# KiCad board sample013-sdi-mipi-video-converter.kicad_pcb (continued)
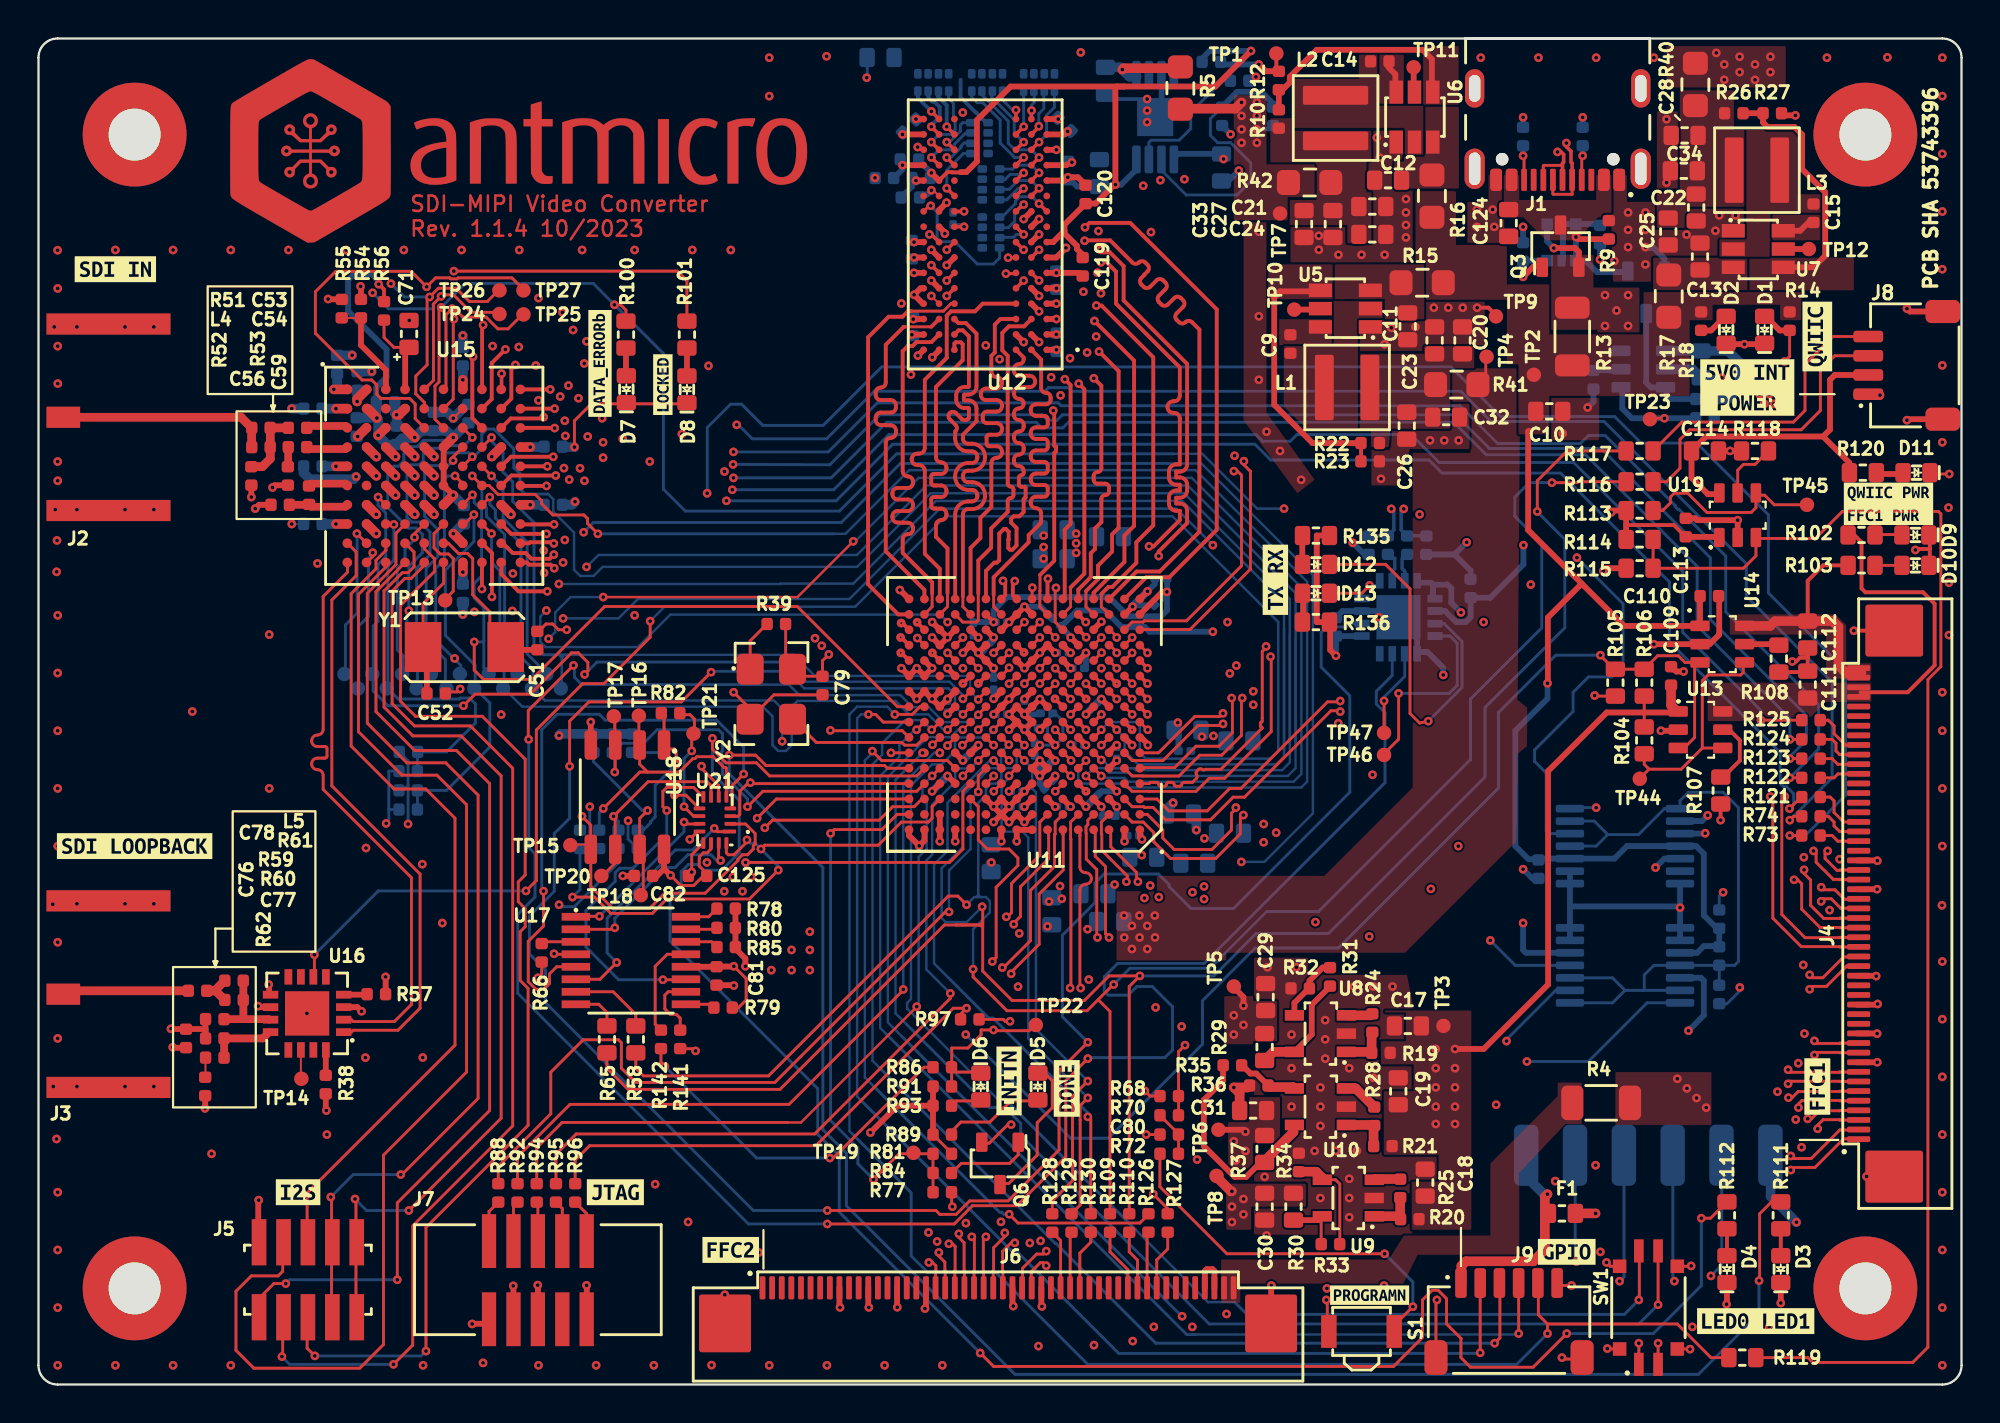
[diagram p0: board, top side]
## Routing (per net, layer and track width the routed paths; a pad name or vN(x,y) marks a point on that pad's centre or on a via; arc(x,y) is an arc through that point) (continued)
/DDR3/DDR3_DQ14: length 20.7
  Top w0.15: 46.47,41.15 46.47,40.45 U11.R15
  Top w0.2: U12.B8 46.43,54.21 45.66,54.21 45.45,54 45.2,54 44.94,53.74 44.94,47.49 arc(45.02,47.3) 45.21,47.23 arc(45.39,47.15) 45.47,46.96 45.47,46.89 arc(45.39,46.7) 45.21,46.62 44.67,46.62 arc(44.49,46.55) 44.41,46.36 44.41,46.29 arc(44.49,46.1) 44.67,46.03 45.21,46.03 arc(45.39,45.95) 45.47,45.76 45.47,45.69 arc(45.39,45.5) 45.21,45.43 44.67,45.43 arc(44.49,45.35) 44.41,45.16 44.41,45.09 arc(44.49,44.9) 44.67,44.83 44.94,44.83 44.94,44.82 45.21,44.82 arc(45.39,44.74) 45.47,44.55 45.47,44.48 arc(45.39,44.29) 45.21,44.22 arc(45.02,44.14) 44.94,43.95 44.94,43.25 46.47,41.72 46.47,41.15
/DDR3/DDR3_DQ15: length 21.2
  Top w0.2: U11.T11 49.27,42.31 49.7,42.74 49.83,42.74 49.96,42.87 49.96,44.25 50.2,44.49 50.31,44.49 50.45,44.35 50.45,43.95 50.43,43.93 50.43,43.5 50.52,43.41 50.64,43.41 50.86,43.63 50.86,44.54 50.58,44.82 50.58,45.02 50.71,45.15 51.01,45.15 51.23,45.37 51.23,46.04 arc(51.24,46.07) 51.28,46.09 arc(51.32,46.1) 51.33,46.14 51.33,46.64 arc(51.32,46.67) 51.28,46.69 51.11,46.69 arc(51.02,46.72) 50.98,46.81 50.98,47.16 arc(51.02,47.25) 51.11,47.29 arc(51.19,47.32) 51.23,47.41 51.23,47.51 arc(51.16,47.69) 50.98,47.76 arc(50.8,47.83) 50.73,48.01 50.73,48.11 arc(50.8,48.29) 50.98,48.36 arc(51.16,48.43) 51.23,48.61 51.23,48.71 arc(51.16,48.89) 50.98,48.96 arc(50.8,49.03) 50.73,49.21 50.73,49.31 arc(50.8,49.49) 50.98,49.56 arc(51.16,49.63) 51.23,49.81 51.23,49.91 arc(51.16,50.09) 50.98,50.16 arc(50.8,50.23) 50.73,50.41 50.73,50.51 arc(50.8,50.69) 50.98,50.76 arc(51.16,50.83) 51.23,51.01 arc(51.16,51.19) 50.98,51.26 arc(50.8,51.33) 50.73,51.51 50.73,51.61 arc(50.8,51.79) 50.98,51.86 51.53,51.86 arc(51.74,51.95) 51.83,52.16 arc(51.74,52.37) 51.53,52.46 50.98,52.46 arc(50.8,52.53) 50.73,52.71 50.73,52.81 arc(50.8,52.99) 50.98,53.06 arc(51.16,53.13) 51.23,53.31 51.23,53.41 U12.A3
/DDR3/DDR3_LDM: length 28.4
  Top w0.15: 52.08,42.1 52.08,41.27 52.07,41.26 52.07,40.45 U11.R7
  Top w0.182: v1(47.23,56.61) U12.E7
  Top w0.2: 52.08,42.1 52.82,42.84 52.82,48.44 arc(52.83,48.48) 52.87,48.49 arc(52.91,48.5) 52.92,48.54 52.92,48.74 arc(52.91,48.78) 52.87,48.79 arc(52.83,48.8) 52.82,48.84 52.82,50.6 v1(52.77,50.65)
  In2.Cu w0.162: v1(47.23,56.61) 46.93,56.31 46.93,53.07 46.47,52.61 46.09,52.61 45.34,51.86 45.34,49.45 46.02,48.77 50.89,48.77 v1(52.77,50.65)
/DDR3/DDR3_LDQS_N: length 32.2
  Top w0.162: v1(50.42,58.6) 50.82,58.6
  Top w0.2: v1(58.25,43.08) 58.25,43.32 59.73,44.8 59.73,45.44 arc(59.62,45.71) 59.35,45.82 59.16,45.82 59.16,46.12 59.35,46.12 arc(59.62,46.23) 59.73,46.5 59.73,46.8 arc(59.62,47.06) 59.35,47.17 59.16,47.17 59.16,47.47 59.35,47.47 arc(59.62,47.58) 59.73,47.85 59.73,53.07 56.43,56.38 56.43,58.16 55.71,58.88 55.37,58.88 v1(55.24,59) ; 54.09,39.25 v1(54.48,38.86)
  In2.Cu w0.15: 55.37,40.15 55.29,40.07 55.11,40.07 54.87,39.83 54.87,39.25 v1(54.48,38.86)
  In2.Cu w0.162: v1(50.42,58.6) 50.41,58.61 50.39,58.61 50.52,58.48 52.33,58.48 52.54,58.69 53.9,58.69 54.13,58.92 55.16,58.92 v1(55.24,59) ; 55.37,40.15 55.37,40.17 58.25,43.05 v1(58.25,43.08)
/DDR3/DDR3_LDQS_P: length 31.5
  Top w0.162: v1(50.31,57.77) 50.79,57.77
  Top w0.2: v1(57.75,43.59) 57.99,43.59 59.35,44.95 59.35,45.44 59.16,45.44 arc(58.89,45.55) 58.78,45.82 58.78,46.12 arc(58.89,46.38) 59.16,46.5 59.35,46.5 59.35,46.8 59.16,46.8 arc(58.89,46.91) 58.78,47.17 58.78,47.47 arc(58.89,47.74) 59.16,47.85 59.35,47.85 59.35,50.23 arc(59.26,50.44) 59.05,50.53 59.01,50.53 arc(58.8,50.62) 58.71,50.83 arc(58.8,51.04) 59.01,51.13 59.05,51.13 arc(59.26,51.22) 59.35,51.43 59.35,52.89 56.03,56.21 56.03,57.87 55.42,58.48 55.37,58.48 v1(55.24,58.36) ; 54.07,40.04 v1(54.46,39.65)
  In2.Cu w0.15: 54.97,40.45 54.46,39.94 v1(54.46,39.65)
  In2.Cu w0.162: v1(50.31,57.77) 50.33,57.79 50.33,57.81 50.52,58 52.24,58 52.45,58.21 54.1,58.21 54.33,58.44 55.16,58.44 v1(55.24,58.36) ; v1(57.75,43.59) 57.75,43.21 54.99,40.45 54.97,40.45
/DDR3/DDR3_ODT: length 52.9
  Top w0.182: v1(52.03,61.41) 52.43,61.01
  Top w0.2: U11.T7 52.47,41.88 v1(52.5,41.91)
  In2.Cu w0.162: v1(52.03,61.41) 52.04,61.4 53.47,61.4 53.59,61.52 56.84,61.52 58.46,59.9 58.46,53.09 58.2,52.83 arc(58.14,52.68) 58.2,52.54 58.65,52.09 arc(58.7,51.95) 58.65,51.81 arc(58.5,51.75) 58.36,51.81 57.6,52.57 arc(57.46,52.63) 57.32,52.57 arc(57.26,52.43) 57.32,52.29 58.08,51.53 arc(58.14,51.39) 58.08,51.24 arc(57.94,51.19) 57.8,51.24 57.07,51.97 arc(56.93,52.03) 56.8,51.97 56.79,51.96 arc(56.73,51.83) 56.79,51.69 57.51,50.96 arc(57.57,50.82) 57.51,50.68 arc(57.37,50.62) 57.23,50.68 56.5,51.41 arc(56.37,51.46) 56.23,51.41 56.22,51.4 arc(56.16,51.26) 56.22,51.12 56.95,50.4 arc(57.01,50.25) 56.95,50.11 arc(56.81,50.05) 56.67,50.11 55.94,50.84 arc(55.8,50.9) 55.66,50.84 55.66,50.83 arc(55.6,50.7) 55.66,50.56 56.38,49.83 arc(56.44,49.69) 56.38,49.55 arc(56.24,49.49) 56.1,49.55 55.37,50.28 arc(55.24,50.33) 55.1,50.28 55.09,50.27 arc(55.03,50.13) 55.09,49.99 55.82,49.26 arc(55.88,49.12) 55.82,48.98 arc(55.68,48.92) 55.54,48.98 54.81,49.71 arc(54.67,49.77) 54.53,49.71 54.52,49.7 arc(54.47,49.56) 54.52,49.43 55.25,48.7 arc(55.31,48.56) 55.25,48.42 arc(55.11,48.36) 54.97,48.42 54.33,49.06 arc(54.28,49.08) 54.23,49.06 54.05,48.87 arc(54.03,48.82) 54.05,48.77 54.69,48.13 arc(54.75,47.99) 54.69,47.85 arc(54.55,47.79) 54.4,47.85 53.78,48.48 arc(53.74,48.49) 53.71,48.48 53.49,48.27 arc(53.48,48.23) 53.49,48.19 54.12,47.57 arc(54.18,47.43) 54.12,47.28 arc(53.98,47.23) 53.84,47.28 53.39,47.73 arc(53.25,47.79) 53.1,47.73 52.75,47.38 52.75,42.16 v1(52.5,41.91)
  Bottom w0.15: 50.1,60.71 50.8,61.41 50.8,61.54 51.03,61.77 51.67,61.77 v1(52.03,61.41)
/DDR3/DDR3_UDM: length 20.2
  Top w0.2: U12.D3 49.1,56.21 48.7,55.81 47.45,55.81 47.23,55.59 47.23,53.39 46.09,52.25 46.09,48.71 arc(46,48.5) 45.79,48.41 45.71,48.41 arc(45.5,48.32) 45.41,48.11 arc(45.5,47.9) 45.71,47.81 45.79,47.81 arc(46,47.72) 46.09,47.51 46.09,43.2 46.87,42.42 U11.T14
/DDR3/DDR3_UDQS_N: length 20.2
  Top w0.2: U12.B7 47.84,54.82 48.07,54.82 48.38,54.51 48.38,51.91 arc(48.37,51.89) 48.35,51.88 48.15,51.88 arc(47.85,51.75) 47.72,51.45 47.72,51.21 arc(47.85,50.91) 48.15,50.78 48.35,50.78 arc(48.37,50.77) 48.38,50.75 48.38,50.26 48.33,50.21 arc(48.17,50.15) 48.01,50.21 47.7,50.52 arc(47.55,50.59) 47.39,50.52 arc(47.32,50.36) 47.39,50.2 47.69,49.89 arc(47.76,49.73) 47.69,49.58 47.67,49.55 47.67,49.2 arc(47.87,48.72) 48.34,48.53 48.55,48.53 arc(48.74,48.44) 48.82,48.25 48.82,48.2 arc(48.74,48.01) 48.55,47.93 48.34,47.93 arc(47.87,47.73) 47.67,47.25 47.67,47.2 arc(47.87,46.72) 48.34,46.53 48.55,46.53 arc(48.74,46.44) 48.82,46.25 48.82,46.2 arc(48.74,46.01) 48.55,45.93 48.34,45.93 arc(47.87,45.73) 47.67,45.25 U11.T13
/DDR3/DDR3_UDQS_P: length 20.4
  Top w0.15: 48.07,41 48.07,40.45 U11.R12
  Top w0.2: U12.C7 47.84,55.2 48.23,55.2 48.78,54.65 48.78,51.91 arc(48.65,51.61) 48.35,51.48 48.15,51.48 arc(48.13,51.47) 48.12,51.45 48.12,51.21 arc(48.13,51.19) 48.15,51.18 48.35,51.18 arc(48.65,51.05) 48.78,50.75 48.78,50.1 48.07,49.39 48.07,49.2 arc(48.15,49.01) 48.34,48.93 48.55,48.93 arc(49.02,48.73) 49.22,48.25 49.22,48.2 arc(49.02,47.72) 48.55,47.53 48.34,47.53 arc(48.15,47.44) 48.07,47.25 48.07,47.2 arc(48.15,47.01) 48.34,46.93 48.55,46.93 arc(49.02,46.73) 49.22,46.25 49.22,46.2 arc(49.02,45.72) 48.55,45.53 48.34,45.53 arc(48.15,45.44) 48.07,45.25 48.07,41
/DDR3/~{DDR3_CAS}: length 52.2
  Top w0.15: v1(51.68,41.44) 51.67,41.43 U11.T8
  Top w0.182: v1(51.23,61.36) 51.18,61.36 50.83,61.01
  In2.Cu w0.162: v1(51.68,41.44) 51.74,41.5 51.74,44.74 arc(51.8,44.88) 51.94,44.94 52.27,44.94 arc(52.41,45) 52.47,45.14 arc(52.41,45.28) 52.27,45.34 51.63,45.34 arc(51.55,45.37) 51.51,45.45 51.51,45.63 arc(51.55,45.71) 51.63,45.74 52.27,45.74 arc(52.41,45.8) 52.47,45.94 arc(52.41,46.08) 52.27,46.14 51.94,46.14 arc(51.8,46.2) 51.74,46.34 arc(51.8,46.48) 51.94,46.54 52.27,46.54 arc(52.41,46.6) 52.47,46.74 arc(52.41,46.88) 52.27,46.94 51.94,46.94 arc(51.8,47) 51.74,47.14 51.74,47.37 52.02,47.65 arc(52.16,47.71) 52.29,47.65 arc(52.42,47.6) 52.56,47.65 52.57,47.67 arc(52.63,47.8) 52.57,47.94 arc(52.52,48.07) 52.57,48.2 52.59,48.22 arc(52.72,48.27) 52.86,48.22 arc(52.99,48.16) 53.12,48.22 53.14,48.23 arc(53.19,48.37) 53.14,48.5 arc(53.08,48.63) 53.14,48.77 53.15,48.78 arc(53.29,48.84) 53.42,48.78 arc(53.55,48.73) 53.69,48.78 53.7,48.8 arc(53.76,48.93) 53.7,49.07 arc(53.65,49.2) 53.7,49.33 57.05,52.68 57.05,53.74 arc(57,53.86) 56.88,53.92 arc(56.75,53.97) 56.7,54.09 56.7,54.14 arc(56.75,54.26) 56.88,54.32 57.85,54.32 arc(57.99,54.37) 58.05,54.52 arc(57.99,54.66) 57.85,54.72 56.88,54.72 arc(56.75,54.77) 56.7,54.89 56.7,54.94 arc(56.75,55.06) 56.88,55.12 57.85,55.12 arc(57.99,55.17) 58.05,55.32 arc(57.99,55.46) 57.85,55.52 56.88,55.52 arc(56.75,55.57) 56.7,55.69 56.7,55.74 arc(56.75,55.86) 56.88,55.92 57.85,55.92 arc(57.99,55.97) 58.05,56.12 arc(57.99,56.26) 57.85,56.32 56.88,56.32 arc(56.75,56.37) 56.7,56.49 56.7,56.54 arc(56.75,56.66) 56.88,56.72 57.85,56.72 arc(57.99,56.77) 58.05,56.92 arc(57.99,57.06) 57.85,57.12 56.88,57.12 arc(56.75,57.17) 56.7,57.29 56.7,57.34 arc(56.75,57.46) 56.88,57.52 57.85,57.52 arc(57.99,57.57) 58.05,57.72 arc(57.99,57.86) 57.85,57.92 56.88,57.92 arc(56.75,57.97) 56.7,58.09 56.7,58.14 arc(56.75,58.26) 56.88,58.32 57.85,58.32 arc(57.99,58.37) 58.05,58.52 arc(57.99,58.66) 57.85,58.72 56.88,58.72 arc(56.75,58.77) 56.7,58.89 56.7,58.94 arc(56.75,59.06) 56.88,59.12 arc(57,59.17) 57.05,59.29 57.05,59.89 arc(56.99,60.03) 57.05,60.17 57.26,60.38 arc(57.32,60.53) 57.26,60.67 arc(57.12,60.73) 56.98,60.67 56.31,60 arc(56.17,59.94) 56.02,60 arc(55.97,60.14) 56.02,60.28 56.2,60.46 arc(56.26,60.6) 56.2,60.74 55.94,61 51.59,61 v1(51.23,61.36)
  Bottom w0.15: 49.98,60.16 50.43,60.16 50.76,60.49 50.76,60.89 v1(51.23,61.36)
/DDR3/~{DDR3_CS}: length 53.5
  Top w0.182: U12.L2 v1(52.03,62.21)
  Top w0.2: U11.N10 v1(49.67,38.05)
  In2.Cu w0.15: 50.07,39.85 U11.N10 v1(49.67,38.05)
  In2.Cu w0.162: 50.07,39.85 50.07,40.05 50.87,40.85 52.96,40.85 53.49,41.38 53.49,44.67 59.73,50.91 arc(59.79,51.05) 59.73,51.19 59.53,51.39 arc(59.47,51.53) 59.53,51.67 arc(59.67,51.73) 59.81,51.67 60.39,51.1 arc(60.53,51.04) 60.67,51.1 arc(60.73,51.24) 60.67,51.38 60.03,52.02 arc(59.97,52.17) 60.03,52.31 arc(60.17,52.37) 60.31,52.31 60.96,51.66 arc(61.1,51.6) 61.24,51.66 arc(61.3,51.8) 61.24,51.94 61.14,52.04 arc(61.09,52.18) 61.14,52.32 61.18,52.36 61.18,52.91 arc(61.12,53.05) 60.98,53.11 60.45,53.11 arc(60.31,53.17) 60.25,53.31 arc(60.31,53.45) 60.45,53.51 61.71,53.51 arc(61.85,53.57) 61.91,53.71 arc(61.85,53.85) 61.71,53.91 60.45,53.91 arc(60.31,53.97) 60.25,54.11 arc(60.31,54.25) 60.45,54.31 61.71,54.31 arc(61.85,54.37) 61.91,54.51 arc(61.85,54.65) 61.71,54.71 60.45,54.71 arc(60.31,54.77) 60.25,54.91 arc(60.31,55.05) 60.45,55.11 60.98,55.11 arc(61.12,55.17) 61.18,55.31 61.18,59.54 58.87,61.85 58.58,61.85 57.63,62.81 55.79,62.81 55.33,62.35 52.66,62.35 52.52,62.21 v1(52.03,62.21)
  Bottom w0.15: v1(52.03,62.21) 51.63,62.61 50.94,62.61 50.49,62.16 49.98,62.16
/DDR3/~{DDR3_RAS}: length 50.5
  Top w0.15: U11.M12 v1(48.87,37.25)
  Top w0.182: U12.J3 v1(51.23,59.81)
  In2.Cu w0.15: v1(48.87,37.25) U11.M12 48.47,39.05
  In2.Cu w0.162: v1(51.23,59.81) 51.29,59.81 51.7,60.22 52.35,60.22 52.75,60.62 55.03,60.62 56.4,59.25 56.4,54.12 arc(56.34,53.97) 56.2,53.92 55.81,53.92 arc(55.67,53.86) 55.61,53.72 arc(55.67,53.57) 55.81,53.52 56.4,53.52 56.4,53.51 56.57,53.51 arc(56.69,53.46) 56.74,53.34 56.74,53.28 arc(56.69,53.16) 56.57,53.11 arc(56.45,53.06) 56.4,52.94 55.99,52.53 arc(55.85,52.47) 55.71,52.53 55.65,52.6 arc(55.5,52.66) 55.36,52.6 arc(55.3,52.46) 55.36,52.32 55.69,51.99 arc(55.74,51.87) 55.69,51.75 55.65,51.7 arc(55.53,51.65) 55.41,51.7 55.2,51.91 arc(55.11,51.95) 55.03,51.91 54.92,51.8 arc(54.88,51.71) 54.92,51.63 55.12,51.42 arc(55.17,51.3) 55.12,51.18 55.08,51.14 arc(54.96,51.09) 54.84,51.14 54.41,51.57 arc(54.27,51.63) 54.12,51.57 arc(54.07,51.43) 54.12,51.29 54.56,50.86 arc(54.61,50.74) 54.56,50.61 54.52,50.57 arc(54.4,50.52) 54.28,50.57 53.74,51.11 arc(53.59,51.17) 53.45,51.11 arc(53.39,50.97) 53.45,50.83 53.99,50.29 arc(54.04,50.17) 53.99,50.05 53.95,50.01 arc(53.83,49.96) 53.71,50.01 53.38,50.34 arc(53.24,50.39) 53.1,50.34 arc(53.04,50.19) 53.1,50.05 53.43,49.73 arc(53.48,49.6) 53.43,49.48 53.39,49.44 arc(53.26,49.39) 53.14,49.44 52.71,49.88 arc(52.57,49.93) 52.43,49.88 arc(52.37,49.73) 52.43,49.59 52.86,49.16 arc(52.91,49.04) 52.86,48.92 52.82,48.88 arc(52.7,48.83) 52.58,48.88 52.14,49.31 arc(52,49.37) 51.86,49.31 arc(51.8,49.17) 51.86,49.03 52.3,48.59 arc(52.35,48.47) 52.3,48.35 52.25,48.31 arc(52.13,48.26) 52.01,48.31 51.58,48.74 arc(51.44,48.8) 51.3,48.74 arc(51.24,48.6) 51.3,48.46 51.47,48.29 arc(51.53,48.15) 51.47,48.01 51.22,47.76 51.22,47.46 arc(51.26,47.37) 51.34,47.34 arc(51.43,47.3) 51.46,47.21 51.46,47.06 arc(51.43,46.97) 51.34,46.94 50.43,46.94 arc(50.29,46.88) 50.23,46.73 arc(50.29,46.59) 50.43,46.54 51.22,46.54 51.22,46.53 51.34,46.53 arc(51.43,46.5) 51.46,46.41 51.46,46.25 arc(51.43,46.17) 51.34,46.13 arc(51.26,46.1) 51.22,46.01 51.22,41.66 50.61,41.05 49.17,41.05 48.47,40.35 48.47,39.05
  Bottom w0.15: 49.98,59.66 50.71,59.66 50.86,59.81 v1(51.23,59.81)
/DDR3/~{DDR3_RESET}: length 49.1
  Top w0.182: v1(51.64,66.25) 51.63,66.24 U12.T2
  Top w0.2: U11.N9 v2(51.25,38.07)
  In4.Cu w0.15: 50.87,38.43 50.87,39.85
  In4.Cu w0.162: 50.87,38.43 51.23,38.07 v2(51.25,38.07) ; v1(51.64,66.25) 51.64,66.39 52.09,66.84 55.78,66.84 58.26,64.36 59.31,64.36 61.74,61.93 61.74,55.36 arc(61.8,55.22) 61.94,55.16 61.98,55.16 arc(62.12,55.1) 62.18,54.96 arc(62.12,54.82) 61.98,54.76 61.55,54.76 arc(61.41,54.7) 61.35,54.57 61.35,54.55 arc(61.41,54.42) 61.55,54.36 61.98,54.36 arc(62.12,54.3) 62.18,54.16 arc(62.12,54.02) 61.98,53.96 61.55,53.96 arc(61.41,53.9) 61.35,53.77 61.35,53.75 arc(61.41,53.62) 61.55,53.56 61.98,53.56 arc(62.12,53.5) 62.18,53.36 arc(62.12,53.22) 61.98,53.16 61.94,53.16 arc(61.8,53.1) 61.74,52.96 61.74,50.9 57.5,46.66 52.62,46.66 51.23,45.27 51.23,40.98 50.87,40.62 50.87,39.85
  Bottom w0.15: 51.78,67.26 51.78,66.67 51.64,66.53 v1(51.64,66.25)
/DDR3/~{DDR3_WE}: length 51.7
  Top w0.15: U11.P6 52.87,39.65 52.87,41.39 v1(52.91,41.43)
  Top w0.182: U12.L3 v1(51.22,62.2)
  In2.Cu w0.15: 52.7,61.81 51.61,61.81 v1(51.22,62.2)
  In2.Cu w0.162: 52.7,61.81 53.19,61.81 53.32,61.94 57.49,61.94 59.66,59.77 59.66,59.61 arc(59.72,59.47) 59.86,59.41 60.43,59.41 arc(60.58,59.35) 60.63,59.21 arc(60.58,59.07) 60.43,59.01 58.99,59.01 arc(58.84,58.95) 58.79,58.81 arc(58.84,58.67) 58.99,58.61 60.43,58.61 arc(60.58,58.55) 60.63,58.41 arc(60.58,58.27) 60.43,58.21 58.99,58.21 arc(58.84,58.15) 58.79,58.01 arc(58.84,57.87) 58.99,57.81 60.43,57.81 arc(60.58,57.75) 60.63,57.61 arc(60.58,57.47) 60.43,57.41 58.99,57.41 arc(58.84,57.35) 58.79,57.21 arc(58.84,57.07) 58.99,57.01 60.43,57.01 arc(60.58,56.95) 60.63,56.81 arc(60.58,56.67) 60.43,56.61 58.99,56.61 arc(58.84,56.55) 58.79,56.41 arc(58.84,56.27) 58.99,56.21 60.43,56.21 arc(60.58,56.15) 60.63,56.01 arc(60.58,55.87) 60.43,55.81 58.99,55.81 arc(58.84,55.75) 58.79,55.61 arc(58.84,55.47) 58.99,55.41 59.46,55.41 arc(59.6,55.35) 59.66,55.21 59.66,52.3 53.18,45.82 53.18,41.69 53.17,41.69 v1(52.91,41.43)
  Bottom w0.15: v1(51.22,62.2) 50.94,62.2 50.35,61.61 R44.4
/FPGA/DONE: length 29.1
  Top w0.15: v1(43.42,10.67) 44.75,12 46.52,12 46.52,10 ; v1(41.19,28.66) 41.39,28.86 43.86,28.86 44.65,29.65 U11.B16
  Bottom w0.15: v1(43.42,10.67) 42.61,11.48 42.61,12.31 41.19,13.73 v1(41.19,28.66)
/FPGA/DONE_SOFT: length 18.8
  Top w0.15: v1(47.52,9.25) 47.48,9.29 47.48,10 ; v1(34.17,17.35) 34.05,17.47 33.37,17.47
  In2.Cu w0.15: v1(47.52,9.25) 47.2,8.93 42.29,8.93 34.17,17.05 v1(34.17,17.35)
/FPGA/INITN: length 26
  Top w0.15: 49,16.25 47.73,16.25 47.48,16.5 47.48,15.5 ; 49.28,31.25 v1(49.67,31.65) ; 47.49,16.51 47.49,17.5 48.33,17.5 49.02,18.19 49.02,18.43 49.03,18.44 v1(49.66,18.44) 49.7,18.4 51.51,18.4 51.86,18.75
  In6.Cu w0.125: 47.8,19.24 46.57,20.47 46.57,25.65 48.47,27.55 48.47,31.15 48.97,31.65 v1(49.67,31.65)
  In6.Cu w0.15: 47.8,19.24 48.6,18.44 v1(49.66,18.44)
/FPGA/INITN_SOFT: length 18.9
  Top w0.15: 32.37,17.47 32.37,16.75 v1(32.57,16.55) ; v1(41.15,11.78) 41.33,11.78 46.05,16.5 46.52,16.5
  Bottom w0.15: v1(41.15,11.78) 37.34,11.78 v1(32.57,16.55)
/FPGA/MISO_SOFT: length 31.9
  Top w0.15: 27.94,21.73 26.94,21.73 26.57,21.35 26.57,20.85 26.27,20.55 25.87,20.55 25.47,20.95 25.47,23.05 26.26,23.84 v1(26.26,25.66) ; v1(36.67,31.75) 36.07,31.15 36.07,30.05 35.97,29.95
  Bottom w0.15: v1(26.26,25.66) 26.17,25.75 26.17,34.05 26.97,34.85 29.17,34.85 29.47,34.55 35.27,34.55 36.67,33.15 v1(36.67,31.75)
/FPGA/MOSI_SOFT: length 13.4
  Top w0.15: 35.92,28.75 35.31,28.75 v1(35.14,28.92) ; 27.94,21.08 29.19,21.08 v1(30.07,21.95)
  Bottom w0.15: v1(35.14,28.92) 34.02,27.8 33.12,27.8 29.57,24.25 29.57,22.45 v1(30.07,21.95)
/FPGA/PROGRAMN: length 26.8
  Top w0.145: 48.87,30.05 48.87,28.32
  Top w0.15: U11.C12 48.87,30.05 ; 48.87,28.32 49.34,27.85 50.47,27.85 50.93,27.39 50.93,26.99 49.8,25.86 49.8,22.2 v1(49.6,22) ; 59.28,14 59.28,16 ; 59.28,16 59.28,17.31 v1(59.62,17.65)
  In2.Cu w0.15: v1(49.6,22) 49.6,21.1 52.4,18.3 58.97,18.3 v1(59.62,17.65)
/FPGA/SEL: length 10.5
  Top w0.15: 27.94,23.68 29.89,23.68 v1(29.97,23.75) ; v1(35.47,27.25) 35.37,27.35 35.37,28.15
  Bottom w0.15: v1(29.97,23.75) 29.97,24.25 32.6,26.88 33.1,26.88 33.77,27.55 34.97,27.55 35.27,27.25 v1(35.47,27.25)
/FPGA/SPI_CLK: length 33.2
  Top w0.15: 34.37,29.95 33.67,30.65 v1(33.07,30.65) ; U11.C16 38.37,30.45 v1(37.37,29.45)
  In6.Cu w0.15: v1(37.37,29.45) 36.67,29.45 35.47,30.65 v1(33.07,30.65) 31.9,30.65 31.27,30.02 31.27,29.55 33.57,27.25 33.57,27.05 33.57,26.61 33.03,26.08 30.23,26.08 30.16,26.15 29.47,26.15 28.27,24.95 v1(27.07,24.95)
  Bottom w0.15: v1(27.07,24.95) 27.17,24.85 27.87,24.85 30.16,27.14 30.16,27.87
/FPGA/SPI_CLK_SOFT: length 18.5
  Top w0.15: 34.57,30.55 34.07,31.05 32.67,31.05 32.47,30.85 32.47,30.05 v1(32.67,29.85) ; v1(32.47,21.05) 33.56,21.05
  Bottom w0.15: v1(32.67,29.85) 32.67,28.6 30.92,26.85 30.22,26.85 29.99,26.62 29.99,26.17 28.47,24.65 28.47,22.75 30.17,21.05 v1(32.47,21.05)
/FPGA/SPI_DQ0_MOSI: length 29.8
  Top w0.145: 46.27,29.25 44.87,29.25
  Top w0.15: 35.77,28.15 35.77,27.65 35.87,27.55 36.17,27.55 36.84,28.22 v1(36.84,28.32) ; 44.87,29.25 43.67,28.05 37.77,28.05 v1(37.57,27.85) ; v1(38.47,26.75) 36.97,25.25 32.67,25.25 31.92,24.5 29.77,24.5 28.92,25.35 v1(27.77,25.35) ; 46.27,29.25 46.47,29.45 46.47,30.05 U11.C14
  Bottom w0.15: 28.16,27.87 28.16,25.74 v1(27.77,25.35) ; v1(38.47,26.75) 38.47,26.95 v1(37.57,27.85) 37.27,28.15 37.01,28.15 v1(36.84,28.32)
/FPGA/SPI_DQ1_MISO: length 22.1
  Top w0.15: 36.87,31.25 U11.D16 ; 36.87,31.25 36.47,30.85 36.47,29.65 36.37,29.55 35.97,29.55 ; 36.87,31.25 36.97,31.25 v1(37.02,31.3)
  In6.Cu w0.15: v1(37.02,31.3) 36.77,31.05 29.67,31.05 v1(28.67,30.05)
  Bottom w0.15: 29.16,27.87 28.66,28.36 28.66,30.05 v1(28.67,30.05)
/FPGA/SPI_DQ2: length 24.2
  Top w0.15: v1(36.87,30.05) 37.67,30.85 45.67,30.85 U11.D15 ; 29.99,33.01 29.99,31.87 v1(29.97,31.85) ; 29.97,34.75 29.97,33.03
  Bottom w0.15: 29.86,32.87 30.34,33.35 31.47,33.35 32.17,34.05 35.37,34.05 35.57,33.85 35.57,32.95 35.52,32.9 35.52,32.57 35.57,32.52 35.57,31.75 36.87,30.45 v1(36.87,30.05) ; v1(29.97,31.85) 29.97,32.76
/FPGA/SPI_DQ3: length 30.4
  Top w0.15: U11.D12 48.07,30.85 48.07,27.85 47.37,27.15 v1(36.77,27.15) ; v1(31.67,29.85) 31.26,29.44 31.26,28.08 ; 31.44,27.9 31.45,27.89 31.45,25.53 31.44,25.53
  In6.Cu w0.15: v1(36.77,27.15) 36.47,27.15 35.77,27.85 34.77,27.85 34.37,27.45 34.07,27.45 v1(31.67,29.85)
  Bottom w0.15: v1(31.67,29.85) 31.4,29.85 28.86,32.39 28.86,32.87
/FPGA/~{FLASH_CS_SOFT}: length 8.8
  Top w0.15: 34.37,29.15 33.67,29.15 v1(33.57,29.25) ; v1(29.17,24.35) 27.96,24.35
  Bottom w0.15: v1(29.17,24.35) 33.57,28.75 v1(33.57,29.25)
/FPGA/~{FLASH_CS}: length 18.9
  Top w0.147: 44.42,30.05 45.54,30.05
  Top w0.15: 34.27,28.75 v1(33.87,28.35) ; 44.42,30.05 43.72,29.35 38.17,29.35 v1(37.77,28.95) ; 45.54,30.05 45.94,30.45
  In4.Cu w0.15: v1(30.66,29.32) 31.63,28.35 v1(33.87,28.35)
  In6.Cu w0.15: v1(37.77,28.95) 37.67,28.85 36.6,28.85 35.9,28.15 34.07,28.15 v1(33.87,28.35)
  Bottom w0.15: v1(30.66,29.32) 30.66,28.37 31.16,27.87
/Peripherals/FCC1_SCL1: length 92.4
  Top w0.15: 91.69,32.55 v1(91.08,32.55) ; U11.G12 48.07,33.25 v1(48.05,33.25)
  In6.Cu w0.125: v1(36.12,47.85) 38.77,45.2 38.77,37.35 40.87,35.25 41.67,35.25 42.92,34 45.02,34 45.47,34.45 46.57,34.45 46.87,34.15 46.87,33.85 47.03,33.69 47.61,33.69 v1(48.05,33.25)
  Bottom w0.15: v1(36.12,47.85) 41.15,47.83 43.75,50.43 52.19,50.43 52.47,50.15 52.97,50.15 53.25,50.43 73.69,50.43 75.44,48.68 81.25,48.68 86.94,42.99 86.94,39.78 91.93,34.79 91.93,33.51 91.08,32.66 v1(91.08,32.55)
/Peripherals/FCC1_SCL2: length 86.3
  Top w0.15: v1(46.49,33.27) U11.G14 ; v1(89.57,34.55) 91.69,34.55
  In6.Cu w0.125: v1(36.08,46.53) 36.09,46.53 37.97,44.65 37.97,36.95 40.47,34.45 41.47,34.45 42.62,33.3 46.46,33.3 v1(46.49,33.27)
  Bottom w0.15: v1(36.08,46.53) 41.35,46.53 44.22,49.4 63.31,49.4 63.66,49.05 65.09,49.05 65.44,49.4 71.39,49.4 71.88,48.91 71.88,48.9 72.16,48.62 72.16,48.62 72.84,47.95 79.83,47.95 85.5,42.28 85.5,39.12 89.57,35.05 v1(89.57,34.55)
/Peripherals/FCC1_SDA1: length 96.8
  Top w0.15: v1(49.67,33.25) 49.66,33.25 49.27,33.64 ; 91.69,31.55 v1(91.08,31.55)
  In6.Cu w0.125: v1(49.67,33.25) U11.G11 48.57,33.65 48.47,33.75 48.47,34.25 48.27,34.45 46.97,34.45 46.67,34.75 45.27,34.75 44.87,34.35 43.15,34.35 41.85,35.65 41.07,35.65 39.17,37.55 39.17,45.47 v1(36.14,48.5)
  Bottom w0.15: v1(91.08,31.55) 91.08,31.56 92.57,33.05 92.57,35.35 87.74,40.18 87.74,43.08 85.31,45.51 85.26,45.51 85.12,45.65 85.12,45.71 81.46,49.36 80.6,49.36 80.17,48.93 75.89,48.93 73.92,50.9 53.18,50.9 53.03,51.05 43.62,51.05 41.07,48.5 v1(36.14,48.5)
/Peripherals/FCC1_SDA2: length 88.3
  Top w0.15: v1(47.27,33.23) 47.27,33.25 U11.G13 ; 91.69,33.55 v1(91.08,33.55)
  In6.Cu w0.125: v1(47.27,33.23) 47.14,33.23 46.71,33.66 42.76,33.66 41.57,34.85 40.67,34.85 38.37,37.15 38.37,44.92 v1(36.14,47.15)
  Bottom w0.15: v1(91.08,33.55) 91.08,34.63 86.25,39.46 86.25,42.55 80.45,48.35 75.28,48.35 73.59,50.04 53.56,50.04 53.27,49.75 52.17,49.75 51.88,50.04 44.11,50.04 41.22,47.15 v1(36.14,47.15)
/Peripherals/FCC2_SDA2: length 39.9
  Top w0.15: U11.E13 47.27,32.45 43.85,32.45 v1(43.36,32.94) ; v1(50.48,8.86) 50.94,8.4 57.27,8.4 57.72,8.85
  Bottom w0.125: v1(43.36,32.94) 43.36,32.84 42.97,32.45 42.97,15.97 43.43,15.51
  Bottom w0.15: v1(50.48,8.86) 50.19,8.86 50.09,8.96 49.98,8.96 43.43,15.51
/Peripherals/FFC1_3V3: length 15
  Top w0.2: R102.2 94.12,44.2 94.4,44.2 94.8,43.8 94.8,41.4 95,41.2 98,41.2 98.6,40.6 98.6,37.4 97.2,36 94.75,36
/Peripherals/FFC1_5V: length 13.1
  Top w0.2: C112.2 92,41.8 92.8,42.6 R103.2
  Top w0.5: 88.65,39.45 90.05,39.45 90.3,39.7 C112.2 93.3,39.7 93.6,39.4 93.6,37.4 94,37 94.8,37
/Peripherals/FFC1_PEN: length 75.5
  Top w0.15: 85.57,33.1 86.12,33.65 86.12,37.32 86.35,37.55 85.62,37.55 85.27,37.9 84.2,37.9 R105.2 R106.1 ; v1(81.22,37.93) 81.22,37.91 81.93,37.2 ; v1(48.07,31.65) 48.07,31.67 48.47,32.07
  In6.Cu w0.125: 47.55,18.93 46.17,20.31 46.17,25.75 48.07,27.65 v1(48.07,31.65)
  In6.Cu w0.15: 47.55,18.93 v1(48.22,18.2)
  Bottom w0.15: v1(81.22,37.93) 78.9,37.93 75.92,34.95 75.92,31.02 67.6,22.7 63.27,22.7 60.53,19.96 60.53,17.7 55.64,12.81 53.67,12.81 v1(48.22,18.2)
/Peripherals/FFC1_RESET: length 106.4
  Top w0.15: 91.69,29.55 91.27,29.55 v1(91.07,29.35) ; v1(50.47,32.45) U11.F10
  In6.Cu w0.125: v1(50.47,32.45) 50.06,32.86 47.78,32.86 47.07,32.15 42.67,32.15 41.67,33.15 39.97,33.15 36.77,36.35 36.77,43.65 34.27,46.15 34.27,47.87 v1(36.31,49.91)
  Bottom w0.15: v1(36.31,49.91) 36.39,49.91 37.12,49.18 40.98,49.18 43.45,51.65 52.33,51.65 52.52,51.84 53.55,51.84 53.74,51.65 54.19,51.65 54.19,51.65 54.4,51.65 54.4,51.65 73.97,51.65 75.53,50.09 81.41,50.09 88.81,42.68 88.81,40.99 93.27,36.53 93.27,31.55 v1(91.07,29.35)
/Peripherals/FFC1_VSYNC0: length 105.3
  Top w0.15: 91.69,28.55 v1(91.07,28.55) ; v1(44.33,32.85) U11.F16
  In6.Cu w0.125: 35.87,45.25 37.17,43.95 37.17,36.55 40.17,33.55 41.87,33.55 42.87,32.55 44.03,32.55 v1(44.33,32.85)
  In6.Cu w0.15: 35.87,45.25 v1(34.77,46.35)
  Bottom w0.15: v1(34.77,46.35) 34.78,46.36 34.78,49.77 35.99,50.98 36.56,50.98 37.66,49.88 40.81,49.88 43.85,52.92 73.45,52.92 76.03,50.34 81.97,50.34 83.34,48.96 86.23,48.96 89.96,45.23 89.96,41.16 93.97,37.15 93.97,30.65 91.87,28.55 v1(91.07,28.55)
/Peripherals/FFC1_VSYNC1: length 87.6
  Top w0.15: U11.G16 44.92,34 41.2,34 v1(41.18,34.02) ; 91.65,30.55 v1(91.05,29.95)
  In6.Cu w0.125: v1(41.18,34.02) 40.3,34.02 37.57,36.75 37.57,44.16 v1(35.77,45.96)
  Bottom w0.15: v1(35.77,45.96) 41.48,45.96 44.42,48.9 63.25,48.9 64.08,48.08 72.31,48.08 72.99,47.4 79.14,47.4 84.81,41.73 84.81,38.62 90.57,32.86 90.57,31.27 90.75,31.09 90.9,31.09 91.27,30.72 91.27,30.17 v1(91.05,29.95)
